# Altium PCB LightLink_V3 - Copy.PcbDoc (part 3 of 3)
Units mm, origin at the board's own origin, x right, y up, seen from the top; angles counter-clockwise.
Board outline 322.5 x 227.5 mm, 2 copper layers (Top Layer, Bottom Layer); 300 components, 236 nets, 1372 pads, 120 vias.
Unrouted connection lines stored in the file: 569.
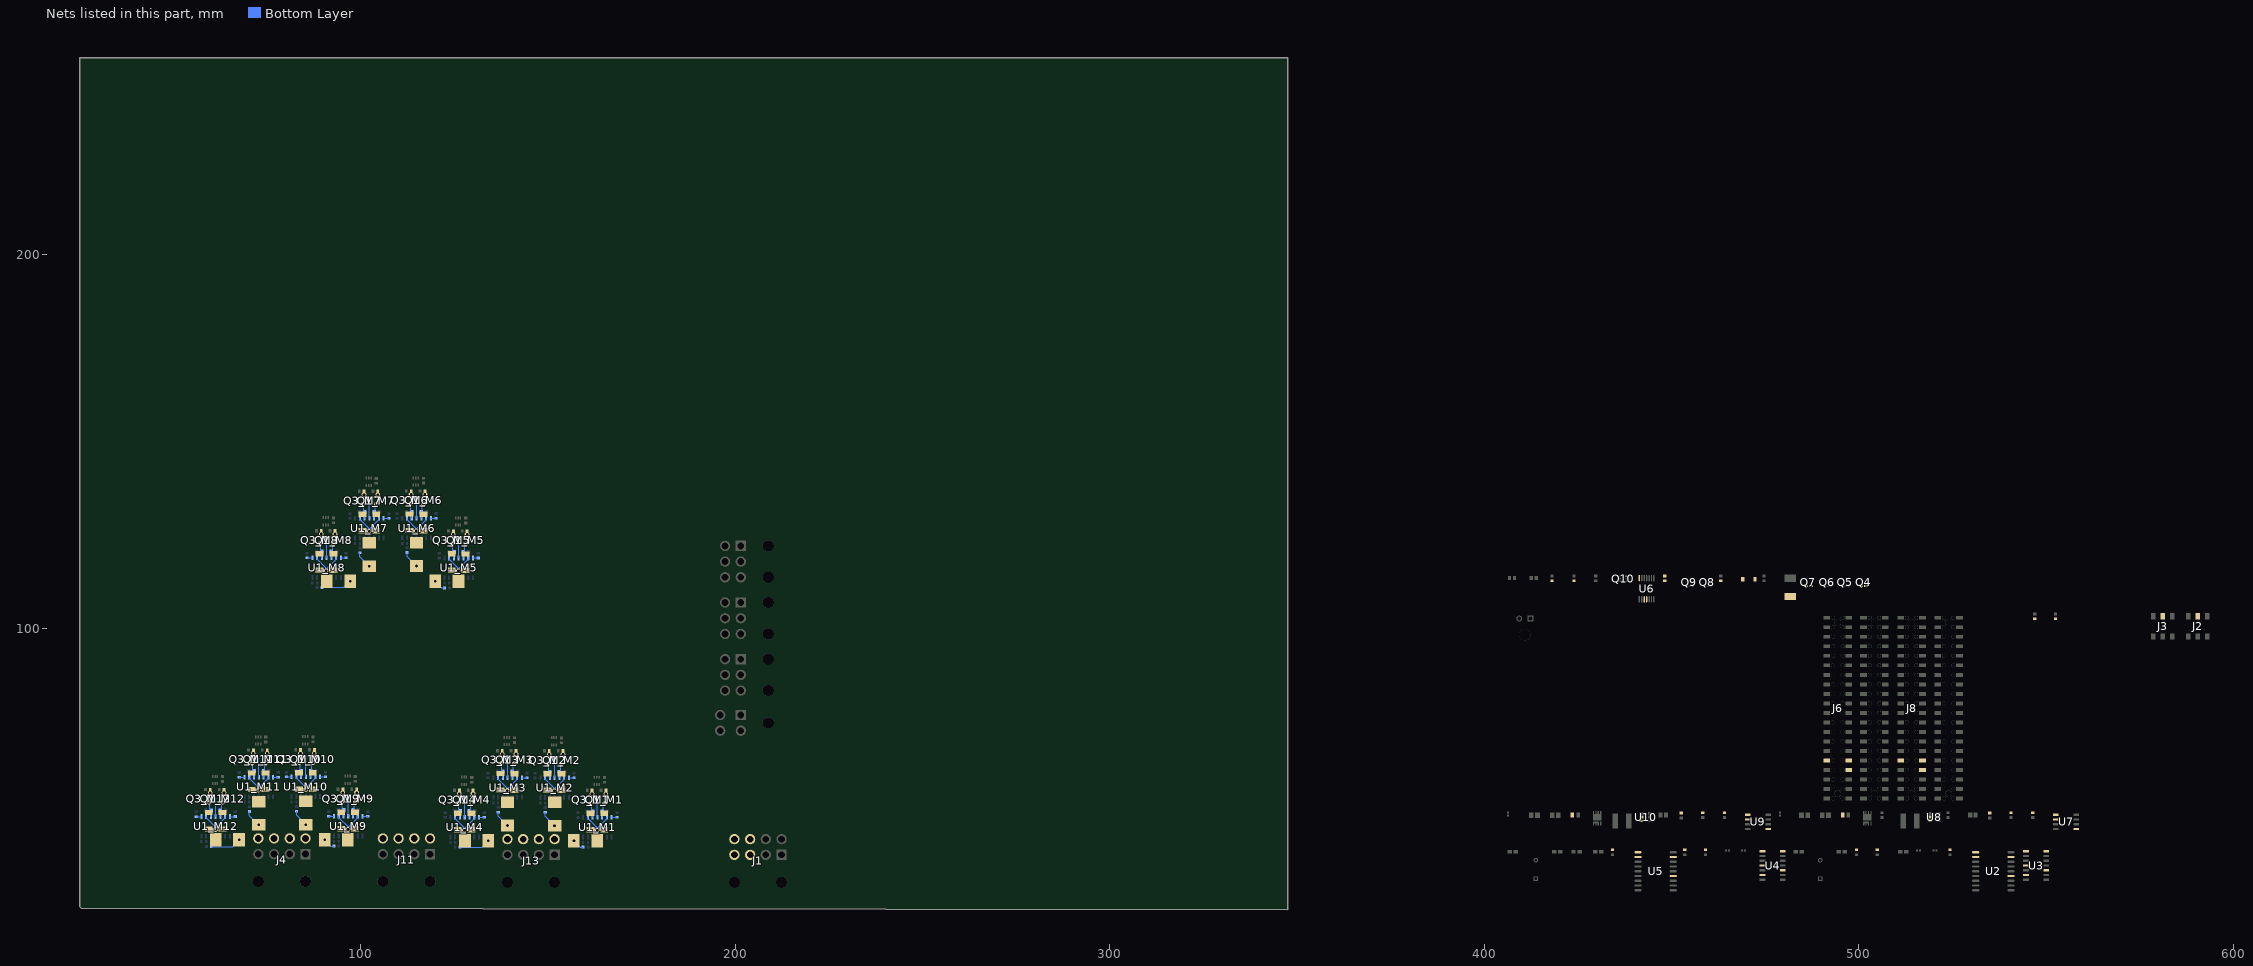
[diagram p3: the nets of this part, all layers, seen from the top]

## Via types
v1: diameter 1.27, hole 0.711, Top Layer to Bottom Layer, 120 vias

## Nets (pads, with @x,y where several pads share a name; then routed paths per layer and width w, separated by ;. In a path a pad name is that pad's centre, name@x,y a point inside that pad or via, vN(x,y) a via of type N, cw(c..) or ccw(c..) an arc to the next point about the centre after c; other vN are vias at no path point) (continued)
NetR9_M8_1: R9_M8.1 U1_M8.1 | length 1.4
  Bottom Layer w0.254: R9_M8.1@85.67,118.989 87.053,118.989 U1_M8.1@87.067,119.003
NetR9_M9_1: R9_M9.1 U1_M9.1 | length 1.4
  Bottom Layer w0.254: R9_M9.1@91.453,49.954 92.836,49.954 U1_M9.1@92.85,49.968
NetR9_M10_1: R9_M10.1 U1_M10.1 | length 1.4
  Bottom Layer w0.254: R9_M10.1@80.15,60.495 81.533,60.495 U1_M10.1@81.547,60.509
NetR9_M11_1: R9_M11.1 U1_M11.1 | length 1.4
  Bottom Layer w0.254: R9_M11.1@67.564,60.437 68.947,60.437 U1_M11.1@68.961,60.451
NetR9_M12_1: R9_M12.1 U1_M12.1 | length 1.4
  Bottom Layer w0.254: R9_M12.1@56.058,49.906 57.441,49.906 U1_M12.1@57.455,49.92
NetR10_M1_1: R10_M1.1 U1_M1.7 | length 1.4
  Bottom Layer w0.254: U1_M1.7@167.005,49.691 167.006,49.692 R10_M1.1@168.402,49.692
NetR10_M2_1: R10_M2.1 U1_M2.7 | length 1.4
  Bottom Layer w0.254: U1_M2.7@155.575,60.241 U1_M2.7@155.575,60.241 R10_M2.1@156.972,60.242
NetR10_M3_1: R10_M3.1 U1_M3.7 | length 1.4
  Bottom Layer w0.254: U1_M3.7@143.015,60.279 143.017,60.28 R10_M3.1@144.412,60.28
NetR10_M4_1: R10_M4.1 U1_M4.7 | length 1.4
  Bottom Layer w0.254: U1_M4.7@131.572,49.7 U1_M4.7@131.572,49.7 R10_M4.1@132.969,49.701
NetR10_M5_1: R10_M5.1 U1_M5.7 | length 1.4
  Bottom Layer w0.254: U1_M5.7@129.967,118.958 129.969,118.959 R10_M5.1@131.364,118.959
NetR10_M6_1: R10_M6.1 U1_M6.7 | length 1.4
  Bottom Layer w0.254: U1_M6.7@118.703,129.587 U1_M6.7@118.703,129.587 R10_M6.1@120.1,129.588
NetR10_M7_1: R10_M7.1 U1_M7.7 | length 1.4
  Bottom Layer w0.254: U1_M7.7@106.117,129.544 106.118,129.545 R10_M7.1@107.514,129.545
NetR10_M8_1: R10_M8.1 U1_M8.7 | length 1.4
  Bottom Layer w0.254: U1_M8.7@94.687,119.003 94.688,119.004 R10_M8.1@96.084,119.004
NetR10_M9_1: R10_M9.1 U1_M9.7 | length 1.4
  Bottom Layer w0.254: U1_M9.7@100.47,49.968 100.471,49.969 R10_M9.1@101.867,49.969
NetR10_M10_1: R10_M10.1 U1_M10.7 | length 1.4
  Bottom Layer w0.254: U1_M10.7@89.167,60.509 89.168,60.51 R10_M10.1@90.564,60.51
NetR10_M11_1: R10_M11.1 U1_M11.7 | length 1.4
  Bottom Layer w0.254: U1_M11.7@76.581,60.451 U1_M11.7@76.581,60.451 R10_M11.1@77.978,60.452
NetR10_M12_1: R10_M12.1 U1_M12.7 | length 1.4
  Bottom Layer w0.254: U1_M12.7@65.075,49.92 65.076,49.921 R10_M12.1@66.472,49.921
NetR13_2: R13.2 U2.17
NetR14_2: R14.2 U3.14
NetR15_2: R15.2 U3.6
NetR16_2: R16.2 U4.14
NetR17_2: R17.2 U4.6
NetR18_2: R18.2 U5.17
NetR27_2: R27.2 U7.1
NetR28_2: R28.2 U7.2
NetR29_2: R29.2 U7.5
NetR32_2: R32.2 U9.1
NetR33_2: R33.2 U9.2
NetR34_2: R34.2 U9.5
NetU6_3: U6.3 U6.4
OUT_1: J4.8 R2_M12.2 R6_M12.2 | length 8.2
  Bottom Layer w0.254: R2_M12.2@60.086,41.91 65.786,41.91 v1(67.564,43.688)
OUT_2: J4.7 R2_M11.2 R6_M11.2 | length 4.6
  Bottom Layer w0.254: R2_M11.2@70.256,51.258 70.256,50.195 v1(72.758,47.694)
OUT_3: J4.6 R2_M10.2 R6_M10.2 | length 4.6
  Bottom Layer w0.254: R2_M10.2@82.843,51.316 82.843,50.253 v1(85.344,47.752)
OUT_4: J4.5 R2_M9.2 R6_M9.2 | length 3.1
  Bottom Layer w0.254: v1(90.372,43.688) 92.023,42.037 R2_M9.2@92.822,42.037
OUT_5: J11.8 R2_M8.2 R6_M8.2 | length 8.2
  Bottom Layer w0.254: R2_M8.2@89.622,111.115 95.501,111.115 v1(97.152,112.766)
OUT_6: J11.7 R2_M7.2 R6_M7.2 | length 4.6
  Bottom Layer w0.254: R2_M7.2@99.792,120.351 99.792,119.289 v1(102.294,116.787)
OUT_7: J11.6 R2_M6.2 R6_M6.2 | length 4.6
  Bottom Layer w0.254: R2_M6.2@112.379,120.394 112.379,119.331 v1(114.88,116.83)
OUT_8: J11.5 R2_M5.2 R6_M5.2 | length 3.2
  Bottom Layer w0.254: v1(119.908,112.766) 121.686,110.988 R2_M5.2@122.358,110.988
OUT_9: J13.8 R2_M4.2 R6_M4.2 | length 8.2
  Bottom Layer w0.254: R2_M4.2@126.507,41.783 132.386,41.783 v1(134.037,43.434)
OUT_10: J13.7 R2_M3.2 R6_M3.2 | length 4.6
  Bottom Layer w0.254: R2_M3.2@136.691,51.086 136.691,50.023 v1(139.192,47.522)
OUT_11: J13.6 R2_M2.2 R6_M2.2 | length 4.6
  Bottom Layer w0.254: R2_M2.2@149.25,51.048 149.25,49.985 v1(151.752,47.484)
OUT_12: J13.5 R2_M1.2 R6_M1.2 | length 3.1
  Bottom Layer w0.254: v1(156.92,43.434) 158.571,41.783 R2_M1.2@159.37,41.783
POST_SENSE_M1: D1_M1.1 D2_M1.1 R3_M1.2 R6_M1.1 U1_M1.2 U1_M1.6 | length 9
  Bottom Layer w0.254: U1_M1.2@160.655,49.691 160.655,49.341 160.803,49.193 160.839,49.193 162.997,47.035 162.997,46.4 v1(163.144,46.253) 163.339,46.448 163.339,46.945 165.735,49.341 U1_M1.6@165.735,49.691
POST_SENSE_M2: D1_M2.1 D2_M2.1 R3_M2.2 R6_M2.1 U1_M2.2 U1_M2.6 | length 9
  Bottom Layer w0.254: U1_M2.2@149.225,60.241 149.225,59.891 149.373,59.743 149.409,59.743 151.567,57.585 151.567,56.95 v1(151.714,56.803) 151.909,56.998 151.909,57.495 154.305,59.891 U1_M2.6@154.305,60.241
POST_SENSE_M3: D1_M3.1 D2_M3.1 R3_M3.2 R6_M3.1 U1_M3.2 U1_M3.6 | length 9
  Bottom Layer w0.254: U1_M3.2@136.665,60.279 136.665,59.929 136.813,59.781 136.85,59.781 139.008,57.623 139.008,56.988 v1(139.155,56.841) 139.349,57.036 139.349,57.533 141.745,59.929 U1_M3.6@141.745,60.279
POST_SENSE_M4: D1_M4.1 D2_M4.1 R3_M4.2 R6_M4.1 U1_M4.2 U1_M4.6 | length 9
  Bottom Layer w0.254: U1_M4.2@125.222,49.7 125.222,49.35 125.37,49.202 125.406,49.202 127.564,47.044 127.564,46.409 v1(127.711,46.262) 127.906,46.457 127.906,46.954 130.302,49.35 U1_M4.6@130.302,49.7
POST_SENSE_M5: D1_M5.1 D2_M5.1 R3_M5.2 R6_M5.1 U1_M5.2 U1_M5.6 | length 9
  Bottom Layer w0.254: U1_M5.2@123.617,118.958 123.617,118.608 123.765,118.46 123.802,118.46 125.96,116.302 125.96,115.667 v1(126.107,115.52) 126.301,115.714 126.301,116.211 128.697,118.608 U1_M5.6@128.697,118.958
POST_SENSE_M6: D1_M6.1 D2_M6.1 R3_M6.2 R6_M6.1 U1_M6.2 U1_M6.6 | length 9
  Bottom Layer w0.254: U1_M6.2@112.353,129.587 112.353,129.237 112.501,129.089 112.537,129.089 114.695,126.931 114.695,126.296 v1(114.842,126.149) 115.037,126.344 115.037,126.841 117.433,129.237 U1_M6.6@117.433,129.587
POST_SENSE_M7: D1_M7.1 D2_M7.1 R3_M7.2 R6_M7.1 U1_M7.2 U1_M7.6 | length 9
  Bottom Layer w0.254: U1_M7.2@99.767,129.544 99.767,129.194 99.915,129.046 99.951,129.046 102.109,126.888 102.109,126.253 v1(102.256,126.106) 102.45,126.301 102.45,126.798 104.847,129.194 U1_M7.6@104.847,129.544
POST_SENSE_M8: D1_M8.1 D2_M8.1 R3_M8.2 R6_M8.1 U1_M8.2 U1_M8.6 | length 9
  Bottom Layer w0.254: U1_M8.2@88.337,119.003 88.337,118.653 88.485,118.505 88.521,118.505 90.679,116.347 90.679,115.712 v1(90.826,115.565) 91.02,115.76 91.02,116.257 93.417,118.653 U1_M8.6@93.417,119.003
POST_SENSE_M9: D1_M9.1 D2_M9.1 R3_M9.2 R6_M9.1 U1_M9.2 U1_M9.6 | length 9
  Bottom Layer w0.254: U1_M9.2@94.12,49.968 94.12,49.618 94.268,49.47 94.305,49.47 96.463,47.312 96.463,46.677 v1(96.609,46.53) 96.804,46.725 96.804,47.222 99.2,49.618 U1_M9.6@99.2,49.968
POST_SENSE_M10: D1_M10.1 D2_M10.1 R3_M10.2 R6_M10.1 U1_M10.2 U1_M10.6 | length 9
  Bottom Layer w0.254: U1_M10.2@82.817,60.509 82.817,60.159 82.965,60.011 83.002,60.011 85.16,57.853 85.16,57.218 v1(85.306,57.071) 85.501,57.266 85.501,57.763 87.897,60.159 U1_M10.6@87.897,60.509
POST_SENSE_M11: D1_M11.1 D2_M11.1 R3_M11.2 R6_M11.1 U1_M11.2 U1_M11.6 | length 9
  Bottom Layer w0.254: U1_M11.2@70.231,60.451 70.231,60.101 70.379,59.953 70.415,59.953 72.573,57.795 72.573,57.16 v1(72.72,57.013) 72.915,57.207 72.915,57.704 75.311,60.101 U1_M11.6@75.311,60.451
POST_SENSE_M12: D1_M12.1 D2_M12.1 R3_M12.2 R6_M12.1 U1_M12.2 U1_M12.6 | length 9
  Bottom Layer w0.254: U1_M12.2@58.725,49.92 58.725,49.57 58.873,49.422 58.909,49.422 61.067,47.264 61.067,46.629 v1(61.214,46.482) 61.408,46.676 61.408,47.173 63.805,49.57 U1_M12.6@63.805,49.92
PRE_VCC: D3.1 Q4.1 Q4.2 Q4.3 Q5.5-6-7-8 Q7.1 Q7.2 Q7.3 Q8.5-6-7-8 R21.1 R23.1 U3.10 U4.10 U6.14
PWR_IN: F1.1 J1.3 J1.4 J1.7 J1.8
PWR_MOSFET: Q5.4 Q6.4 Q8.4 Q9.4 Q10.6 R21.2
RP_MOS_LINK: D3.2 Q4.4 Q7.4 R20.1
RST: J6.7 J8.7 R11.1 R12.1
RX: J6.10 J8.9
RXD_1: U2.2 U3.4
RXD_2: U4.4 U5.2
SCK_1: J2.04 U2.13
SCK_2: J3.04 U5.13
SENSE_1_M1: D1_M1.2 Q1_M1.5-6-7-8 R37_M1.2 U1_M1.5 | length 4
  Bottom Layer w0.254: U1_M1.5@164.465,49.691 164.465,51.32 R37_M1.2@164.451,51.333 164.774,51.656 164.774,52.926 165.056,53.208 v1(165.056,53.483)
SENSE_1_M2: D1_M2.2 Q1_M2.5-6-7-8 R37_M2.2 U1_M2.5 | length 4
  Bottom Layer w0.254: U1_M2.5@153.035,60.241 153.035,61.869 R37_M2.2@153.021,61.883 153.344,62.206 153.344,63.476 153.626,63.758 v1(153.626,64.033)
SENSE_1_M3: D1_M3.2 Q1_M3.5-6-7-8 R37_M3.2 U1_M3.5 | length 4
  Bottom Layer w0.254: U1_M3.5@140.475,60.279 140.475,61.908 R37_M3.2@140.462,61.921 140.785,62.244 140.785,63.514 141.067,63.796 v1(141.067,64.071)
SENSE_1_M4: D1_M4.2 Q1_M4.5-6-7-8 R37_M4.2 U1_M4.5 | length 4
  Bottom Layer w0.254: U1_M4.5@129.032,49.7 129.032,51.328 R37_M4.2@129.018,51.342 129.341,51.665 129.341,52.935 129.623,53.217 v1(129.623,53.492)
SENSE_1_M5: D1_M5.2 Q1_M5.5-6-7-8 R37_M5.2 U1_M5.5 | length 4
  Bottom Layer w0.254: U1_M5.5@127.427,118.958 127.427,120.586 R37_M5.2@127.414,120.6 127.737,120.923 127.737,122.193 128.019,122.475 v1(128.019,122.75)
SENSE_1_M6: D1_M6.2 Q1_M6.5-6-7-8 R37_M6.2 U1_M6.5 | length 4
  Bottom Layer w0.254: U1_M6.5@116.163,129.587 116.163,131.215 R37_M6.2@116.149,131.229 116.472,131.552 116.472,132.822 116.754,133.104 v1(116.754,133.379)
SENSE_1_M7: D1_M7.2 Q1_M7.5-6-7-8 R37_M7.2 U1_M7.5 | length 4
  Bottom Layer w0.254: U1_M7.5@103.577,129.544 103.577,131.173 R37_M7.2@103.563,131.186 103.886,131.509 103.886,132.779 104.168,133.061 v1(104.168,133.336)
SENSE_1_M8: D1_M8.2 Q1_M8.5-6-7-8 R37_M8.2 U1_M8.5 | length 4
  Bottom Layer w0.254: U1_M8.5@92.147,119.003 92.147,120.632 R37_M8.2@92.133,120.645 92.456,120.968 92.456,122.238 92.738,122.52 v1(92.738,122.795)
SENSE_1_M9: D1_M9.2 Q1_M9.5-6-7-8 R37_M9.2 U1_M9.5 | length 4
  Bottom Layer w0.254: U1_M9.5@97.93,49.968 97.93,51.596 R37_M9.2@97.916,51.61 98.24,51.933 98.24,53.203 98.521,53.485 v1(98.521,53.76)
SENSE_1_M10: D1_M10.2 Q1_M10.5-6-7-8 R37_M10.2 U1_M10.5 | length 4
  Bottom Layer w0.254: U1_M10.5@86.627,60.509 86.627,62.137 R37_M10.2@86.613,62.151 86.937,62.474 86.937,63.744 87.218,64.026 v1(87.218,64.301)
SENSE_1_M11: D1_M11.2 Q1_M11.5-6-7-8 R37_M11.2 U1_M11.5 | length 4
  Bottom Layer w0.254: U1_M11.5@74.041,60.451 74.041,62.079 R37_M11.2@74.027,62.093 74.35,62.416 74.35,63.686 74.632,63.968 v1(74.632,64.243)
SENSE_1_M12: D1_M12.2 Q1_M12.5-6-7-8 R37_M12.2 U1_M12.5 | length 4
  Bottom Layer w0.254: U1_M12.5@62.535,49.92 62.535,51.548 R37_M12.2@62.521,51.562 62.844,51.885 62.844,53.155 63.126,53.437 v1(63.126,53.712)
SENSE_2_M1: D2_M1.2 Q3_M1.5-6-7-8 R36_M1.2 U1_M1.3 | length 4.1
  Bottom Layer w0.254: v1(161.373,53.483) 161.373,53.208 161.641,52.94 161.641,51.656 R36_M1.2@161.964,51.333 161.925,51.294 U1_M1.3@161.925,49.691
SENSE_2_M2: D2_M2.2 Q3_M2.5-6-7-8 R36_M2.2 U1_M2.3 | length 4.1
  Bottom Layer w0.254: v1(149.943,64.033) 149.943,63.758 150.211,63.49 150.211,62.206 R36_M2.2@150.534,61.883 150.495,61.844 U1_M2.3@150.495,60.241
SENSE_2_M3: D2_M3.2 Q3_M3.5-6-7-8 R36_M3.2 U1_M3.3 | length 4.1
  Bottom Layer w0.254: v1(137.384,64.071) 137.384,63.796 137.652,63.528 137.652,62.244 R36_M3.2@137.975,61.921 137.935,61.882 U1_M3.3@137.935,60.279
SENSE_2_M4: D2_M4.2 Q3_M4.5-6-7-8 R36_M4.2 U1_M4.3 | length 4.1
  Bottom Layer w0.254: v1(125.94,53.492) 125.94,53.217 126.208,52.949 126.208,51.665 R36_M4.2@126.531,51.342 126.492,51.303 U1_M4.3@126.492,49.7
SENSE_2_M5: D2_M5.2 Q3_M5.5-6-7-8 R36_M5.2 U1_M5.3 | length 4.1
  Bottom Layer w0.254: v1(124.336,122.75) 124.336,122.475 124.604,122.207 124.604,120.923 R36_M5.2@124.927,120.6 124.887,120.561 U1_M5.3@124.887,118.958
SENSE_2_M6: D2_M6.2 Q3_M6.5-6-7-8 R36_M6.2 U1_M6.3 | length 4.1
  Bottom Layer w0.254: v1(113.071,133.379) 113.071,133.104 113.339,132.836 113.339,131.552 R36_M6.2@113.662,131.229 113.623,131.19 U1_M6.3@113.623,129.587
SENSE_2_M7: D2_M7.2 Q3_M7.5-6-7-8 R36_M7.2 U1_M7.3 | length 4.1
  Bottom Layer w0.254: v1(100.485,133.336) 100.485,133.061 100.753,132.793 100.753,131.509 R36_M7.2@101.076,131.186 101.037,131.147 U1_M7.3@101.037,129.544
SENSE_2_M8: D2_M8.2 Q3_M8.5-6-7-8 R36_M8.2 U1_M8.3 | length 4.1
  Bottom Layer w0.254: v1(89.055,122.795) 89.055,122.52 89.323,122.252 89.323,120.968 R36_M8.2@89.646,120.645 89.607,120.606 U1_M8.3@89.607,119.003
SENSE_2_M9: D2_M9.2 Q3_M9.5-6-7-8 R36_M9.2 U1_M9.3 | length 4.1
  Bottom Layer w0.254: v1(94.838,53.76) 94.838,53.485 95.106,53.217 95.106,51.933 R36_M9.2@95.429,51.61 95.39,51.571 U1_M9.3@95.39,49.968
SENSE_2_M10: D2_M10.2 Q3_M10.5-6-7-8 R36_M10.2 U1_M10.3 | length 4.1
  Bottom Layer w0.254: v1(83.535,64.301) 83.535,64.026 83.803,63.758 83.803,62.474 R36_M10.2@84.126,62.151 84.087,62.112 U1_M10.3@84.087,60.509
SENSE_2_M11: D2_M11.2 Q3_M11.5-6-7-8 R36_M11.2 U1_M11.3 | length 4.1
  Bottom Layer w0.254: v1(70.949,64.243) 70.949,63.968 71.217,63.7 71.217,62.416 R36_M11.2@71.54,62.093 71.501,62.054 U1_M11.3@71.501,60.451
SENSE_2_M12: D2_M12.2 Q3_M12.5-6-7-8 R36_M12.2 U1_M12.3 | length 4.1
  Bottom Layer w0.254: v1(59.443,53.712) 59.443,53.437 59.711,53.169 59.711,51.885 R36_M12.2@60.034,51.562 59.995,51.523 U1_M12.3@59.995,49.92
TX: J6.9 J8.10
TXD_1: U2.1 U3.1
TXD_2: U4.1 U5.1
VCC: C12.1 C17.1 Q1_M1.1 Q1_M1.2 Q1_M1.3 Q1_M2.1 Q1_M2.2 Q1_M2.3 Q1_M3.1 Q1_M3.2 Q1_M3.3 Q1_M4.1 Q1_M4.2 Q1_M4.3 Q1_M5.1 Q1_M5.2 Q1_M5.3 Q1_M6.1 Q1_M6.2 Q1_M6.3 Q1_M7.1 Q1_M7.2 Q1_M7.3 Q1_M8.1 Q1_M8.2 Q1_M8.3 Q1_M9.1 Q1_M9.2 Q1_M9.3 Q1_M10.1 Q1_M10.2 Q1_M10.3 Q1_M11.1 Q1_M11.2 Q1_M11.3 Q1_M12.1 Q1_M12.2 Q1_M12.3 Q3_M1.1 Q3_M1.2 Q3_M1.3 Q3_M2.1 Q3_M2.2 Q3_M2.3 Q3_M3.1 Q3_M3.2 Q3_M3.3 Q3_M4.1 Q3_M4.2 Q3_M4.3 Q3_M5.1 Q3_M5.2 Q3_M5.3 Q3_M6.1 Q3_M6.2 Q3_M6.3 Q3_M7.1 Q3_M7.2 Q3_M7.3 Q3_M8.1 Q3_M8.2 Q3_M8.3 Q3_M9.1 Q3_M9.2 Q3_M9.3 Q3_M10.1 Q3_M10.2 Q3_M10.3 Q3_M11.1 Q3_M11.2 Q3_M11.3 Q3_M12.1 Q3_M12.2 Q3_M12.3 Q6.5-6-7-8 Q9.5-6-7-8 R7_M1.2 R7_M2.2 R7_M3.2 R7_M4.2 R7_M5.2 R7_M6.2 R7_M7.2 R7_M8.2 R7_M9.2 R7_M10.2 R7_M11.2 R7_M12.2 R8_M1.2 R8_M2.2 R8_M3.2 R8_M4.2 R8_M5.2 R8_M6.2 R8_M7.2 R8_M8.2 R8_M9.2 R8_M10.2 R8_M11.2 R8_M12.2 R24.1 U1_M1.4 U1_M2.4 U1_M3.4 U1_M4.4 U1_M5.4 U1_M6.4 U1_M7.4 U1_M8.4 U1_M9.4 U1_M10.4 U1_M11.4 U1_M12.4 U8.2 U8.3 U10.2 U10.3 | length 83.3
  Bottom Layer w0.254: v1(59.817,56.261) 61.265,54.813 U1_M12.4@61.265,49.92 ; v1(71.323,66.792) 72.771,65.344 U1_M11.4@72.771,60.451 ; v1(83.909,66.85) 85.357,65.402 U1_M10.4@85.357,60.509 ; v1(89.429,125.344) 90.877,123.897 U1_M8.4@90.877,119.003 ; v1(95.212,56.309) 96.66,54.861 U1_M9.4@96.66,49.968 ; v1(100.859,135.885) 102.307,134.438 U1_M7.4@102.307,129.544 ; v1(113.445,135.928) 114.893,134.48 U1_M6.4@114.893,129.587 ; v1(124.71,125.299) 126.157,123.851 U1_M5.4@126.157,118.958 ; v1(126.314,56.041) 127.762,54.593 U1_M4.4@127.762,49.7 ; v1(137.758,66.62) 139.205,65.173 U1_M3.4@139.205,60.279 ; v1(150.317,66.582) 151.765,65.134 U1_M2.4@151.765,60.241 ; v1(161.747,56.032) 163.195,54.585 U1_M1.4@163.195,49.691
  other v1: 129.997,56.041 165.43,56.032 63.5,56.261 98.895,56.309 154,66.582 141.441,66.62 75.006,66.792 87.592,66.85 128.393,125.299 93.112,125.344 104.542,135.885 117.128,135.928
pads on no net: J1. J2.02 J3.02 J4. J5. J6. J6.5 J6.6 J6.8 J7. J7.1 J7.2 J7.3 J7.4 J7.5 J7.6 J7.7 J7.8 J7.24 J7.39 J7.40 J8. J8.5 J8.6 J8.8 J9. J9.1 J9.2 J9.3 J9.4 J9.5 J9.6 J9.7 J9.8 J9.24 J9.39 J9.40 J10. J11. J12. J13. J14. J15. Q10.3 Q10.4 Q10.5 Q11. Q12. U1_M1.8 U1_M1.9 U1_M1.10 U1_M2.8 U1_M2.9 U1_M2.10 U1_M3.8 U1_M3.9 U1_M3.10 U1_M4.8 U1_M4.9 U1_M4.10 U1_M5.8 U1_M5.9 U1_M5.10 U1_M6.8 U1_M6.9 U1_M6.10 U1_M7.8 U1_M7.9 U1_M7.10 U1_M8.8 U1_M8.9 U1_M8.10 U1_M9.8 U1_M9.9 U1_M9.10 U1_M10.8 U1_M10.9 U1_M10.10 U1_M11.8 U1_M11.9 U1_M11.10 U1_M12.8 U1_M12.9 U1_M12.10 U2.3 U2.4 U2.5 U2.6 U2.10 U2.11 U2.12 U3.8 U3.9 U3.11 U4.7 U4.8 U4.9 U4.11 U5.3 U5.4 U5.5 U5.6 U5.10 U5.11 U5.12 U6.8 U6.9 U6.10 U6.11 U6.12 U6.13

## Polygon pours and split planes (outlines as drawn)
no net on Top Layer "NONET_L01_P000" (solid, pour order 0): 100.499,137.199 99.985,135.496 99.985,134.996 101.635,134.996 101.635,135.496 101.249,137.199
no net on Top Layer "NONET_L01_P001" (solid, pour order 1): 105.318,135.496 105.318,134.996 103.668,134.996 103.668,135.496 104.182,137.199 104.932,137.199
no net on Top Layer "NONET_L01_P002" (solid, pour order 2): 101.71,134.476 102.09,134.061 102.09,133.631 101.489,129.947 99.389,129.947 98.88,133.631 98.88,134.096 99.26,134.476
no net on Top Layer "NONET_L01_P003" (solid, pour order 3): 102.943,134.476 102.563,134.061 102.563,133.631 103.098,129.922 105.198,129.922 105.773,133.631 105.773,134.061 105.393,134.476
no net on Top Layer "NONET_L01_P004" (solid, pour order 4): 99.389,126.947 99.389,125.522 100.509,121.437 104.079,121.437 105.198,125.522 105.198,126.922
no net on Top Layer "NONET_L01_P000" (solid, pour order 0): 124.35,126.613 123.836,124.91 123.836,124.41 125.486,124.41 125.486,124.91 125.1,126.613
no net on Top Layer "NONET_L01_P000" (solid, pour order 0): 113.085,137.242 112.571,135.539 112.571,135.039 114.221,135.039 114.221,135.539 113.835,137.242
no net on Top Layer "NONET_L01_P000" (solid, pour order 0): 89.069,126.658 88.555,124.955 88.555,124.455 90.205,124.455 90.205,124.955 89.819,126.658
no net on Top Layer "NONET_L01_P001" (solid, pour order 1): 129.169,124.91 129.169,124.41 127.519,124.41 127.519,124.91 128.033,126.613 128.783,126.613
no net on Top Layer "NONET_L01_P001" (solid, pour order 1): 93.888,124.955 93.888,124.455 92.238,124.455 92.238,124.955 92.752,126.658 93.502,126.658
no net on Top Layer "NONET_L01_P001" (solid, pour order 1): 117.904,135.539 117.904,135.039 116.254,135.039 116.254,135.539 116.768,137.242 117.518,137.242
no net on Top Layer "NONET_L01_P002" (solid, pour order 2): 114.296,134.519 114.676,134.104 114.676,133.674 114.076,129.99 111.976,129.99 111.466,133.674 111.466,134.139 111.846,134.519
no net on Top Layer "NONET_L01_P002" (solid, pour order 2): 125.561,123.89 125.941,123.475 125.941,123.045 125.34,119.361 123.24,119.361 122.731,123.045 122.731,123.51 123.111,123.89
no net on Top Layer "NONET_L01_P002" (solid, pour order 2): 90.28,123.935 90.66,123.52 90.66,123.09 90.059,119.406 87.959,119.406 87.45,123.09 87.45,123.555 87.83,123.935
no net on Top Layer "NONET_L01_P003" (solid, pour order 3): 115.529,134.519 115.149,134.104 115.149,133.674 115.684,129.964 117.784,129.964 118.359,133.674 118.359,134.104 117.979,134.519
no net on Top Layer "NONET_L01_P003" (solid, pour order 3): 91.513,123.935 91.133,123.52 91.133,123.09 91.668,119.381 93.768,119.381 94.343,123.09 94.343,123.52 93.963,123.935
no net on Top Layer "NONET_L01_P003" (solid, pour order 3): 126.794,123.89 126.414,123.475 126.414,123.045 126.948,119.335 129.048,119.335 129.624,123.045 129.624,123.475 129.244,123.89
no net on Top Layer "NONET_L01_P004" (solid, pour order 4): 123.24,116.361 123.24,114.935 124.359,110.851 127.929,110.851 129.048,114.935 129.048,116.335
no net on Top Layer "NONET_L01_P004" (solid, pour order 4): 111.976,126.99 111.976,125.564 113.095,121.48 116.665,121.48 117.784,125.564 117.784,126.964
no net on Top Layer "NONET_L01_P004" (solid, pour order 4): 87.959,116.406 87.959,114.981 89.079,110.896 92.649,110.896 93.768,114.981 93.768,116.381
no net on Top Layer "NONET_L01_P000" (solid, pour order 0): 83.549,68.164 83.035,66.461 83.035,65.961 84.685,65.961 84.685,66.461 84.299,68.164
no net on Top Layer "NONET_L01_P001" (solid, pour order 1): 88.368,66.461 88.368,65.961 86.718,65.961 86.718,66.461 87.232,68.164 87.982,68.164
no net on Top Layer "NONET_L01_P002" (solid, pour order 2): 84.76,65.441 85.141,65.026 85.141,64.596 84.54,60.912 82.44,60.912 81.93,64.596 81.93,65.061 82.311,65.441
no net on Top Layer "NONET_L01_P003" (solid, pour order 3): 85.994,65.441 85.613,65.026 85.613,64.596 86.148,60.886 88.248,60.886 88.824,64.596 88.824,65.026 88.443,65.441
no net on Top Layer "NONET_L01_P004" (solid, pour order 4): 82.44,57.912 82.44,56.486 83.559,52.402 87.129,52.402 88.248,56.486 88.248,57.886
VCC on Top Layer "VCC_L01_P000" (solid, pour order 0): 59.457,57.575 58.943,55.872 58.943,55.372 60.593,55.372 60.593,55.872 60.207,57.575
VCC on Top Layer "VCC_L01_P001" (solid, pour order 1): 64.276,55.872 64.276,55.372 62.626,55.372 62.626,55.872 63.14,57.575 63.89,57.575
SENSE_2_M12 on Top Layer "SENSE_2_M12_L01_P002" (solid, pour order 2): 60.668,54.852 61.048,54.437 61.048,54.007 60.447,50.323 58.347,50.323 57.838,54.007 57.838,54.472 58.218,54.852
SENSE_1_M12 on Top Layer "SENSE_1_M12_L01_P003" (solid, pour order 3): 61.901,54.852 61.521,54.437 61.521,54.007 62.056,50.297 64.156,50.297 64.731,54.007 64.731,54.437 64.351,54.852
POST_SENSE_M12 on Top Layer "POST_SENSE_M12_L01_P004" (solid, pour order 4): 58.347,47.323 58.347,45.897 59.467,41.813 63.037,41.813 64.156,45.897 64.156,47.297
no net on Top Layer "NONET_L01_P000" (solid, pour order 0): 94.852,57.623 94.338,55.92 94.338,55.42 95.988,55.42 95.988,55.92 95.602,57.623
no net on Top Layer "NONET_L01_P004" (solid, pour order 4): 93.743,47.371 93.743,45.945 94.862,41.861 98.432,41.861 99.551,45.945 99.551,47.345
no net on Top Layer "NONET_L01_P003" (solid, pour order 3): 97.297,54.9 96.916,54.485 96.916,54.055 97.451,50.345 99.551,50.345 100.127,54.055 100.127,54.485 99.746,54.9
no net on Top Layer "NONET_L01_P002" (solid, pour order 2): 96.063,54.9 96.444,54.485 96.444,54.055 95.843,50.371 93.743,50.371 93.233,54.055 93.233,54.52 93.614,54.9
no net on Top Layer "NONET_L01_P001" (solid, pour order 1): 99.671,55.92 99.671,55.42 98.021,55.42 98.021,55.92 98.535,57.623 99.285,57.623
no net on Top Layer "NONET_L01_P000" (solid, pour order 0): 125.954,57.355 125.44,55.652 125.44,55.152 127.09,55.152 127.09,55.652 126.704,57.355
no net on Top Layer "NONET_L01_P004" (solid, pour order 4): 124.845,47.103 124.845,45.677 125.964,41.593 129.534,41.593 130.653,45.677 130.653,47.077
no net on Top Layer "NONET_L01_P003" (solid, pour order 3): 128.398,54.632 128.018,54.217 128.018,53.787 128.553,50.077 130.653,50.077 131.228,53.787 131.228,54.217 130.848,54.632
no net on Top Layer "NONET_L01_P002" (solid, pour order 2): 127.165,54.632 127.545,54.217 127.545,53.787 126.945,50.103 124.845,50.103 124.335,53.787 124.335,54.252 124.715,54.632
no net on Top Layer "NONET_L01_P001" (solid, pour order 1): 130.773,55.652 130.773,55.152 129.123,55.152 129.123,55.652 129.637,57.355 130.387,57.355
no net on Top Layer "NONET_L01_P000" (solid, pour order 0): 70.963,68.106 70.449,66.403 70.449,65.903 72.099,65.903 72.099,66.403 71.713,68.106
no net on Top Layer "NONET_L01_P004" (solid, pour order 4): 69.854,57.854 69.854,56.428 70.973,52.344 74.543,52.344 75.662,56.428 75.662,57.828
no net on Top Layer "NONET_L01_P003" (solid, pour order 3): 73.407,65.383 73.027,64.968 73.027,64.538 73.562,60.828 75.662,60.828 76.237,64.538 76.237,64.968 75.857,65.383
no net on Top Layer "NONET_L01_P002" (solid, pour order 2): 72.174,65.383 72.554,64.968 72.554,64.538 71.954,60.854 69.854,60.854 69.344,64.538 69.344,65.003 69.724,65.383
no net on Top Layer "NONET_L01_P001" (solid, pour order 1): 75.782,66.403 75.782,65.903 74.132,65.903 74.132,66.403 74.646,68.106 75.396,68.106
no net on Top Layer "NONET_L01_P000" (solid, pour order 0): 137.398,67.934 136.884,66.231 136.884,65.731 138.534,65.731 138.534,66.231 138.148,67.934
no net on Top Layer "NONET_L01_P004" (solid, pour order 4): 136.288,57.682 136.288,56.257 137.407,52.172 140.977,52.172 142.096,56.257 142.096,57.657
no net on Top Layer "NONET_L01_P003" (solid, pour order 3): 139.842,65.211 139.462,64.796 139.462,64.366 139.996,60.657 142.096,60.657 142.672,64.366 142.672,64.796 142.292,65.211
no net on Top Layer "NONET_L01_P002" (solid, pour order 2): 138.609,65.211 138.989,64.796 138.989,64.366 138.388,60.682 136.288,60.682 135.779,64.366 135.779,64.831 136.159,65.211
no net on Top Layer "NONET_L01_P001" (solid, pour order 1): 142.217,66.231 142.217,65.731 140.567,65.731 140.567,66.231 141.081,67.934 141.831,67.934
no net on Top Layer "NONET_L01_P000" (solid, pour order 0): 149.957,67.896 149.443,66.193 149.443,65.693 151.093,65.693 151.093,66.193 150.707,67.896
no net on Top Layer "NONET_L01_P004" (solid, pour order 4): 148.848,57.644 148.848,56.218 149.967,52.134 153.537,52.134 154.656,56.218 154.656,57.618
no net on Top Layer "NONET_L01_P003" (solid, pour order 3): 152.401,65.173 152.021,64.758 152.021,64.328 152.556,60.618 154.656,60.618 155.231,64.328 155.231,64.758 154.851,65.173
no net on Top Layer "NONET_L01_P002" (solid, pour order 2): 151.168,65.173 151.548,64.758 151.548,64.328 150.948,60.644 148.848,60.644 148.338,64.328 148.338,64.793 148.718,65.173
no net on Top Layer "NONET_L01_P001" (solid, pour order 1): 154.776,66.193 154.776,65.693 153.126,65.693 153.126,66.193 153.64,67.896 154.39,67.896
no net on Top Layer "NONET_L01_P000" (solid, pour order 0): 161.387,57.346 160.873,55.643 160.873,55.143 162.523,55.143 162.523,55.643 162.137,57.346
no net on Top Layer "NONET_L01_P004" (solid, pour order 4): 160.278,47.094 160.278,45.669 161.397,41.584 164.967,41.584 166.086,45.669 166.086,47.069
no net on Top Layer "NONET_L01_P003" (solid, pour order 3): 163.831,54.623 163.451,54.208 163.451,53.778 163.986,50.069 166.086,50.069 166.661,53.778 166.661,54.208 166.281,54.623
no net on Top Layer "NONET_L01_P002" (solid, pour order 2): 162.598,54.623 162.978,54.208 162.978,53.778 162.378,50.094 160.278,50.094 159.768,53.778 159.768,54.243 160.148,54.623
no net on Top Layer "NONET_L01_P001" (solid, pour order 1): 166.206,55.643 166.206,55.143 164.556,55.143 164.556,55.643 165.07,57.346 165.82,57.346